# Allegro board 6ULL_V10_221209.brd (continued)
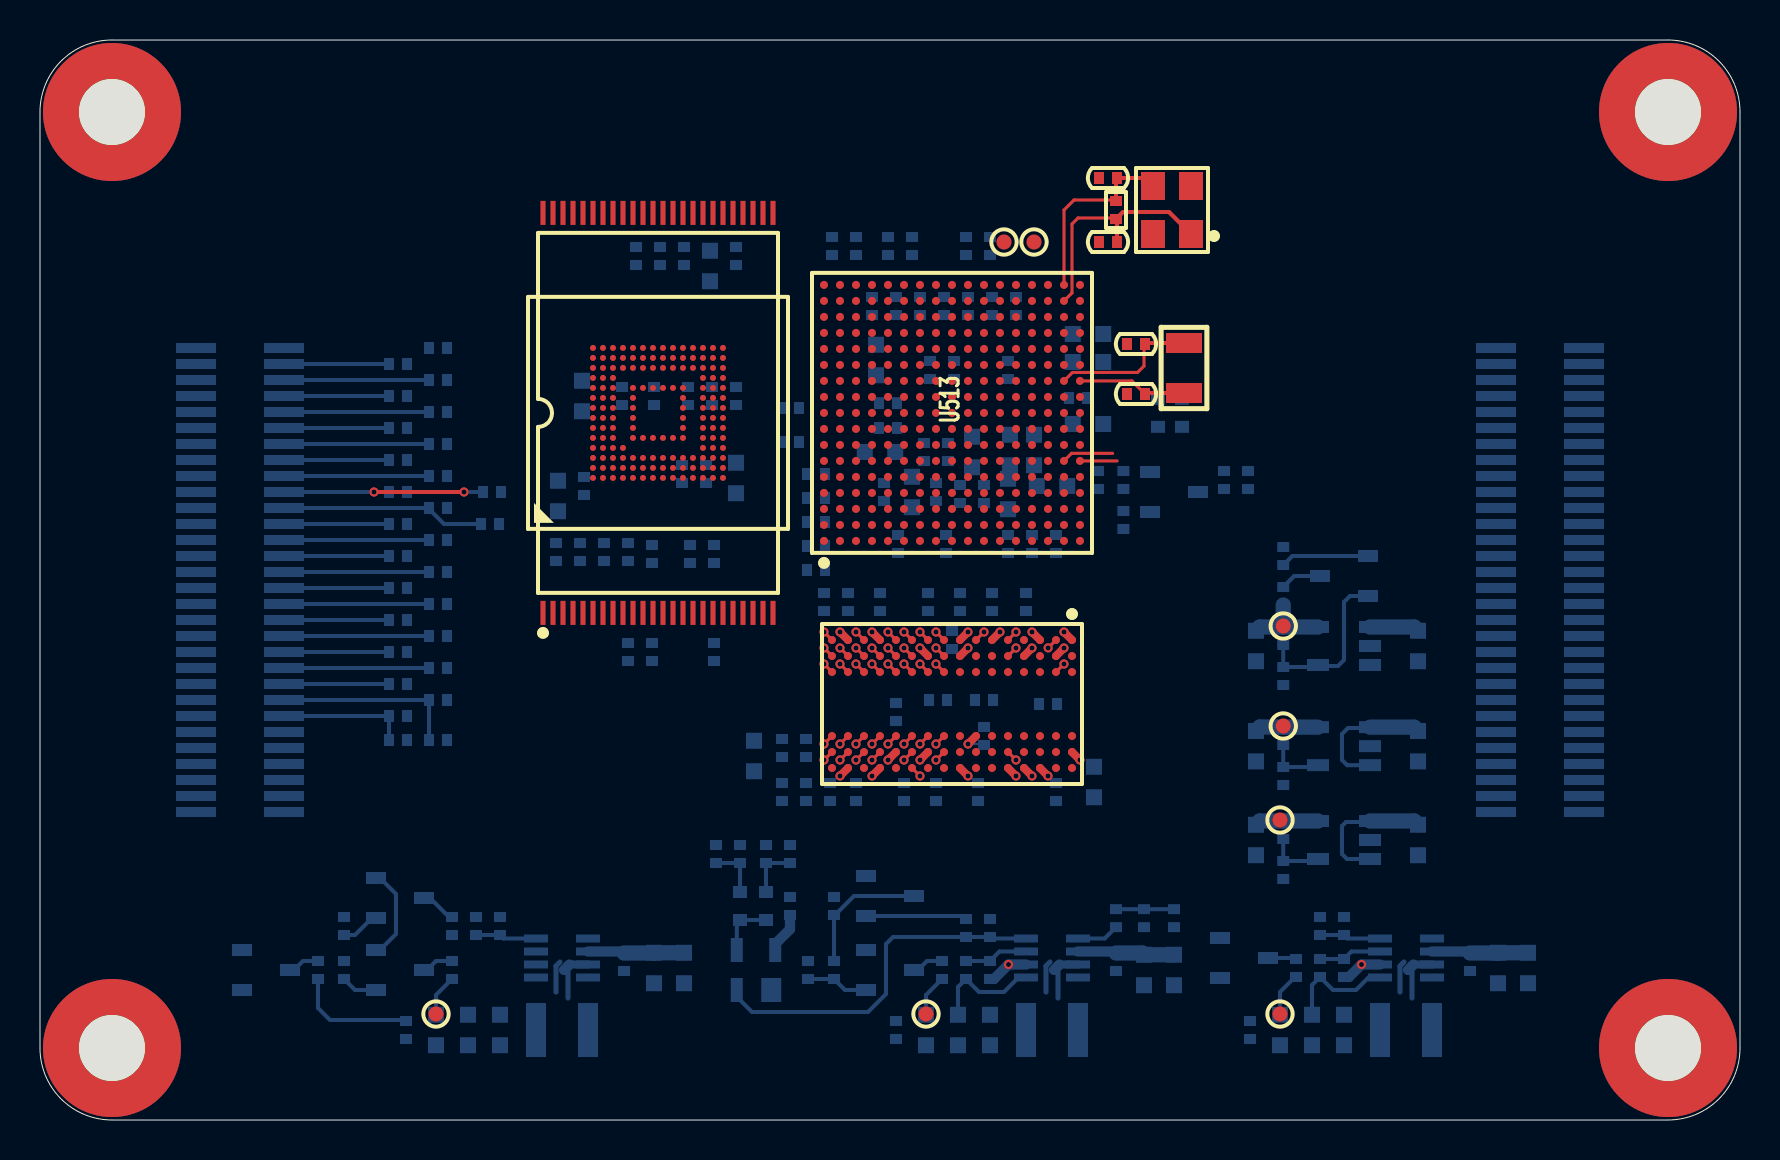
[diagram p0: board, top side]
## Footprints (pads in the part's own frame, mm; a bottom-side part is the same pattern mirrored in y, then rotated) (continued)
FBGA153_0R5_11R5X13X8
  round 0.3 smd: A1(-3.25,3.25) A2(-2.75,3.25) A3(-2.25,3.25) A4(-1.75,3.25) A5(-1.25,3.25) A6(-0.75,3.25) A7(-0.25,3.25) A8(0.25,3.25) A9(0.75,3.25) A10(1.25,3.25) A11(1.75,3.25) A12(2.25,3.25) A13(2.75,3.25) A14(3.25,3.25) B1(-3.25,2.75) B2(-2.75,2.75) B3(-2.25,2.75) B4(-1.75,2.75) B5(-1.25,2.75) B6(-0.75,2.75) B7(-0.25,2.75) B8(0.25,2.75) B9(0.75,2.75) B10(1.25,2.75) B11(1.75,2.75) B12(2.25,2.75) B13(2.75,2.75) B14(3.25,2.75) C1(-3.25,2.25) C2(-2.75,2.25) C3(-2.25,2.25) C4(-1.75,2.25) C5(-1.25,2.25) C6(-0.75,2.25) C7(-0.25,2.25) C8(0.25,2.25) C9(0.75,2.25) C10(1.25,2.25) C11(1.75,2.25) C12(2.25,2.25) C13(2.75,2.25) C14(3.25,2.25) D1(-3.25,1.75) D2(-2.75,1.75) D3(-2.25,1.75) D4(-1.75,1.75) D12(2.25,1.75) D13(2.75,1.75) D14(3.25,1.75) E1(-3.25,1.25) E2(-2.75,1.25) E3(-2.25,1.25) E5(-1.25,1.25) E6(-0.75,1.25) E7(-0.25,1.25) E8(0.25,1.25) E9(0.75,1.25) E10(1.25,1.25) E12(2.25,1.25) E13(2.75,1.25) E14(3.25,1.25) F1(-3.25,0.75) F2(-2.75,0.75) F3(-2.25,0.75) F5(-1.25,0.75) F10(1.25,0.75) F12(2.25,0.75) F13(2.75,0.75) F14(3.25,0.75) G1(-3.25,0.25) G2(-2.75,0.25) G3(-2.25,0.25) G5(-1.25,0.25) G10(1.25,0.25) G12(2.25,0.25) G13(2.75,0.25) G14(3.25,0.25) H1(-3.25,-0.25) H2(-2.75,-0.25) H3(-2.25,-0.25) H5(-1.25,-0.25) H10(1.25,-0.25) H12(2.25,-0.25) H13(2.75,-0.25) H14(3.25,-0.25) J1(-3.25,-0.75) J2(-2.75,-0.75) J3(-2.25,-0.75) J5(-1.25,-0.75) J10(1.25,-0.75) J12(2.25,-0.75) J13(2.75,-0.75) J14(3.25,-0.75) K1(-3.25,-1.25) K2(-2.75,-1.25) K3(-2.25,-1.25) K5(-1.25,-1.25) K6(-0.75,-1.25) K7(-0.25,-1.25) K8(0.25,-1.25) K9(0.75,-1.25) K10(1.25,-1.25) K12(2.25,-1.25) K13(2.75,-1.25) K14(3.25,-1.25) L1(-3.25,-1.75) L2(-2.75,-1.75) L3(-2.25,-1.75) L12(2.25,-1.75) L13(2.75,-1.75) L14(3.25,-1.75) M1(-3.25,-2.25) M2(-2.75,-2.25) M3(-2.25,-2.25) M4(-1.75,-2.25) M5(-1.25,-2.25) M6(-0.75,-2.25) M7(-0.25,-2.25) M8(0.25,-2.25) M9(0.75,-2.25) M10(1.25,-2.25) M11(1.75,-2.25) M12(2.25,-2.25) M13(2.75,-2.25) M14(3.25,-2.25) N1(-3.25,-2.75) N2(-2.75,-2.75) N3(-2.25,-2.75) N4(-1.75,-2.75) N5(-1.25,-2.75) N6(-0.75,-2.75) N7(-0.25,-2.75) N8(0.25,-2.75) N9(0.75,-2.75) N10(1.25,-2.75) N11(1.75,-2.75) N12(2.25,-2.75) N13(2.75,-2.75) N14(3.25,-2.75) P1(-3.25,-3.25) P2(-2.75,-3.25) P3(-2.25,-3.25) P4(-1.75,-3.25) P5(-1.25,-3.25) P6(-0.75,-3.25) P7(-0.25,-3.25) P8(0.25,-3.25) P9(0.75,-3.25) P10(1.25,-3.25) P11(1.75,-3.25) P12(2.25,-3.25) P13(2.75,-3.25) P14(3.25,-3.25)
HOLE6R90X3R40
  round 6.9 hole 3.3: 1(0,0)
L3015
  rect 1x2.7 smd: 1(-1.3,0) 2(1.3,0)
R0402
  rect 0.5x0.6 smd: 1(-0.45,0) 2(0.45,0)
SOD523
  rect 0.6x0.7 smd: 1(0.7,0) 2(-0.7,0)
SOT23-3
  rect 1x0.6 smd: 1(1.2,-1) 2(1.2,1) 3(-1.2,0)
SOT23-5
  rect 0.6x1.1 smd: 1(-0.95,-1.3) 2(0,-1.3) 3(0.95,-1.3) 4(0.95,1.3) 5(-0.95,1.3)
SOT143
  rect 1x1.2 smd: 1(-0.76,-1)
  rect 0.6x1.2 smd: 2(0.96,-1) 3(0.96,1) 4(-0.96,1)
TP-0R75
  round 0.75 smd: 1(0,0)
TSOP48-12X20
  rect 1.2x0.25 smd: 1(-10,5.75) 2(-10,5.25) 3(-10,4.75) 4(-10,4.25) 5(-10,3.75) 6(-10,3.25) 7(-10,2.75) 8(-10,2.25) 9(-10,1.75) 10(-10,1.25) 11(-10,0.75) 12(-10,0.25) 13(-10,-0.25) 14(-10,-0.75) 15(-10,-1.25) 16(-10,-1.75) 17(-10,-2.25) 18(-10,-2.75) 19(-10,-3.25) 20(-10,-3.75) 21(-10,-4.25) 22(-10,-4.75) 23(-10,-5.25) 24(-10,-5.75) 25(10,-5.75) 26(10,-5.25) 27(10,-4.75) 28(10,-4.25) 29(10,-3.75) 30(10,-3.25) 31(10,-2.75) 32(10,-2.25) 33(10,-1.75) 34(10,-1.25) 35(10,-0.75) 36(10,-0.25) 37(10,0.25) 38(10,0.75) 39(10,1.25) 40(10,1.75) 41(10,2.25) 42(10,2.75) 43(10,3.25) 44(10,3.75) 45(10,4.25) 46(10,4.75) 47(10,5.25) 48(10,5.75)
TSOT23-8
  rect 0.4x1.2 smd: 1(-0.975,-1.3) 2(-0.325,-1.3) 3(0.325,-1.3) 4(0.975,-1.3) 5(0.975,1.3) 6(0.325,1.3) 7(-0.325,1.3) 8(-0.975,1.3)
X-2P-3R2X1R5-SMD
  rect 1x1.8 smd: 1(-1.25,0) 2(1.25,0)
X-4P-3R2X2R5-SMD
  rect 1.4x1.2 smd: 1(-1.2,-0.95) 2(1.2,-0.95) 3(1.2,0.95) 4(-1.2,0.95)

## Nets
GND: C3.2 C39.2 C40.2 C41.1 C42.1 C43.1 C44.2 C45.2 C46.1 C48.2 C49.2 C50.2 C52.1 C54.2 C55.2 C56.1 C57.2 C58.1 C59.2 C206.2 C208.1 C210.2 C217.1 C219.2 C220.2 C221.2 C222.2 C223.2 C224.2 C225.2 C226.2 C227.2 C228.1 C229.2 C230.2 C231.2 C232.2 C233.2 C235.1 C236.1 C237.2 C238.2 C239.2 C240.2 C241.2 C242.2 C243.2 C244.2 C245.1 C311.2 C312.1 C313.2 C509.2 C511.2 C512.1 C513.2 C514.2 C515.2 C517.1 C518.1 C519.1 C520.2 C521.1 C522.2 C523.2 C524.2 C525.2 C526.1 C527.1 C528.1 C529.1 C530.2 C531.2 C532.2 C535.2 C536.2 C537.2 C538.2 C539.2 C540.2 C541.2 C542.2 C543.1 C544.1 C545.1 C546.1 C547.1 C548.2 C549.2 C550.2 C551.1 C552.1 C553.1 C554.1 C555.1 C557.1 C558.2 C559.1 C560.2 C561.2 C562.2 C563.1 C564.1 C565.1 MH1.1 MH2.1 MH3.1 MH4.1 Q13.2(S) Q14.2(S) Q15.2(S) Q16.2(S) R3.1 R210.1 R211.1 R212.2 R213.2 R216.1 R217.1 R218.2 R302.1 R533.2 R661.2 R662.2 R663.2 R664.2 R665.2 R666.2 R667.2 R668.2 R669.2 R670.2 R671.2 R672.2 R673.2 R674.2 R675.2 R676.2 R677.2 R678.2 R679.2 R680.2 R681.2 R682.2 R683.2 R694.2 R696.2 R698.2 R700.2 R703.1 R704.1 R707.1 R714.1 R718.1 U201.A9 U201.B1 U201.B3 U201.B9 U201.D1 U201.D8 U201.E1 U201.E2 U201.E8 U201.F9 U201.G1 U201.G8 U201.G9 U201.J2 U201.J8 U201.M1 U201.M9 U201.P1 U201.P9 U201.T1 U201.T9 U302.C4 U302.E7 U302.G5 U302.H10 U302.K8 U302.N2 U302.N5 U302.P4 U302.P6 U501.1 U503.2 U504.2 U505.2 U506.4 U506.6 U507.4 U507.6 U508.1 U509.4 U509.6 U511.59 U511.60 U512.13 U512.25 U512.36 U512.48 U513.A1 U513.A17 U513.C3 U513.C7 U513.C11 U513.C15 U513.E8 U513.E11 U513.F6 U513.F7 U513.F8 U513.F9 U513.F10 U513.F11 U513.F12 U513.G3 U513.G5 U513.G7 U513.G12 U513.G15 U513.H7 U513.H12 U513.J5 U513.J7 U513.J12 U513.K7 U513.K12 U513.L3 U513.L7 U513.L12 U513.M7 U513.M8 U513.M9 U513.M10 U513.M11 U513.M12 U513.N3 U513.N5 U513.N7 U513.R3 U513.R5 U513.R7 U513.R11 U513.R16 U513.R17 U513.T14 U513.U1 U513.U14 U513.U17 X5.2 X5.4
VDD_ARM_CAP: C46.2 C48.1 C49.1 U513.G9 U513.G10 U513.G11 U513.H11
VDD_ARM_SOC_IN: C39.1 C40.1 C41.2 C42.2 R705.2 U513.H9 U513.H10 U513.J9 U513.J10 U513.K9 U513.K10
VDD_COIN_3V: D20.1 R38.1 U510.42
VDD_HIGH_CAP: C55.1 C56.2 U513.N6 U513.R14 U513.R15
VDD_HIGH_IN: C43.2 C44.1 R738.2 U513.N13
VDD_SNVS_3V3: C536.1 C555.2 D19.1 R693.1 R717.1 TP20.1 U503.5(VOUT) U508.4(VCC)
VDD_SNVS_CAP: C59.1 U513.N12
VDD_SNVS_IN: C45.1 D19.2(ANODE_2) D20.2(ANODE_2) R38.2 R531.2 U513.P12
VDD_SOC_CAP: C50.1 C52.2 C54.1 U513.G8 U513.H8 U513.J8 U513.J11 U513.K8 U513.K11 U513.L8 U513.L9 U513.L10 U513.L11
VDDUSB: C520.1 C521.2 U513.R12
ACC_INT: U511.6 U513.R10
AUD_INT: U511.3 U513.P9
BLT_PWM: U511.16 U513.N17
BOOT_MODE0: U511.7 U513.T10
BOOT_MODE1: U511.8 U513.U10
BT_DISABLE: U511.5 U513.R9
CAN1_RX: U511.35 U513.G14
CAN1_TX: U511.36 U513.H15
CAN2_RX: U511.40 U513.H14
CAN2_TX: U511.39 U513.J15
CLK1_N: TP23.1 U513.P16
CLK1_P: TP24.1 U513.P17
CSI_DATA0: U510.56 U513.E4
CSI_DATA1: U510.57 U513.E3
CSI_DATA2: U510.3 U513.E2
CSI_DATA3: U510.59 U513.E1
CSI_DATA4: U510.55 U513.D4
CSI_DATA5: U510.6 U513.D3
CSI_DATA6: U510.4 U513.D2
CSI_DATA7: U510.58 U513.D1
CSI_HSYNC: U510.60 U513.F3
CSI_MCLK: U510.2 U513.F5
CSI_PIXCLK: U510.5 U513.E5
CSI_VSYNC: U510.1 U513.F2
DC5V: C3.1 C535.1 C539.1 C541.1 C542.1 C548.1 C549.1 C550.1 C560.1 C561.1 C562.1 U503.1 U503.3 U505.1 U506.2(VIN) U507.2(VIN) U509.2(VIN) U511.1 U511.2
DCDC_3V3: C236.2 C237.1 C238.1 C239.1 C240.1 C241.1 C242.1 C243.1 C244.1 C245.2 C311.1 C312.2 C313.1 C509.1 C511.1 C514.1 C530.1 C537.1 R326.2 R327.2 R535.2 R657.2 R658.2 R659.2 R660.2 R710.2 R712.2 R738.1 R739.2 R740.2 U302.C6 U302.E6 U302.F5 U302.J10 U302.K9 U302.M4 U302.N4 U302.P3 U302.P5 U504.1 U504.3 U512.12 U512.34 U512.37 U512.39 U513.E7 U513.E13 U513.F13 U513.H13 U513.J13(NVCC_GPIO)
DCDC_3V3_PG: C554.2 R1.2 R711.1 R712.1 R719.2 U505.3
DISCHG_EN: C558.1 Q13.1 Q14.1 Q16.1 R716.2
DRAM_1V35: C208.2 C210.1 C217.2 C218.1 C222.1 C223.1 C224.1 C225.1 C226.1 C227.1 C228.2 C229.1 C230.1 C231.1 C232.1 C233.1 R215.2 R722.2 U201.A1 U201.A8 U201.B2 U201.C1 U201.C9 U201.D2 U201.D9 U201.E9 U201.F1 U201.G7 U201.H2 U201.H9 U201.K2 U201.K8 U201.N1 U201.N9 U201.R1 U201.R9 U513.G6 U513.H6 U513.J6 U513.K6 U513.L6 U513.M6
DRAM_ADDR0: U201.N3 U513.L5
DRAM_ADDR1: U201.P7 U513.H2
DRAM_ADDR2: U201.P3 U513.K1
DRAM_ADDR3: U201.N2 U513.M2
DRAM_ADDR4: U201.P8 U513.K4
DRAM_ADDR5: U201.P2 U513.L1
DRAM_ADDR6: U201.R8 U513.G2
DRAM_ADDR7: U201.R2 U513.H4
DRAM_ADDR8: U201.T8 U513.J4
DRAM_ADDR9: U201.R3 U513.L2
DRAM_ADDR10: U201.L7 U513.M4
DRAM_ADDR11: U201.R7 U513.K3
DRAM_ADDR12: U201.N7 U513.L4
DRAM_ADDR13: U201.T3 U513.H3
DRAM_ADDR14: U201.T7 U513.G1
DRAM_ADDR15: U201.M7 U513.K5
DRAM_CAS_B: U201.K3 U513.J2
DRAM_CS0_B: U201.L2 U513.N2
DRAM_CS1_B: U201.L1 U513.H5
DRAM_DATA0: U201.E3 U513.T4
DRAM_DATA1: U201.F7 U513.U6
DRAM_DATA2: U201.F2 U513.T6
DRAM_DATA3: U201.F8 U513.U7
DRAM_DATA4: U201.H3 U513.U8
DRAM_DATA5: U201.H8 U513.T8
DRAM_DATA6: U201.G2 U513.T5
DRAM_DATA7: U201.H7 U513.U4
DRAM_DATA8: U201.D7 U513.U2
DRAM_DATA9: U201.C3 U513.U3
DRAM_DATA10: U201.C8 U513.U5
DRAM_DATA11: U201.C2 U513.R4
DRAM_DATA12: U201.A7 U513.P5
DRAM_DATA13: U201.A2 U513.P3
DRAM_DATA14: U201.B8 U513.R2
DRAM_DATA15: U201.A3 U513.R1
DRAM_DQM0: U201.E7 U513.T7
DRAM_DQM1: U201.D3 U513.T3
DRAM_ODT0: U201.K1 U513.N1
DRAM_ODT1: U201.J1 U513.F1
DRAM_RAS_B: U201.J3 U513.M5
DRAM_RESET_B: R210.2 U201.T2 U513.G4
DRAM_SDBA0: U201.M2 U513.M1
DRAM_SDBA1: U201.N8 U513.H1
DRAM_SDBA2: U201.M3 U513.K2
DRAM_SDCKE0: R213.1 U201.K9 U513.M3
DRAM_SDCKE1: R212.1 U201.J9 U513.J3
DRAM_SDCLK0_N: R214.1 U201.K7 U513.P2
DRAM_SDCLK0_P: R214.2 U201.J7 U513.P1
DRAM_SDQS0_N: C215.2 U201.G3 U513.P7
DRAM_SDQS0_P: C215.1 U201.F3 U513.P6
DRAM_SDQS1_N: C216.2 U201.B7 U513.T2
DRAM_SDQS1_P: C216.1 U201.C7 U513.T1
DRAM_SDWE_B: U201.L3 U513.J1
DRAM_VREF: C206.1 C218.2 C219.1 C220.1 C221.1 R215.1 R216.2 U201.H1 U201.M8 U513.P4
DRAM_ZQ0: R217.2 U201.L8(ZQ)
DRAM_ZQ1: R218.1 U201.L9
ECSPI4_MISO: C513.1 R524.2 U510.31
ECSPI4_MOSI: U510.32 U513.B15
ECSPI4_SCLK: U510.35 U513.A16
ECSPI4_SS0: U510.34 U513.D16
EMMC_VDDIM: C235.2 U302.C2
ENET1_CRS_DV: U511.25 U513.E16
ENET1_NINT: U511.11 U513.N8
ENET1_RXD0: U511.26 U513.F16
ENET1_RXD1: U511.24 U513.E17
ENET1_RXER: U511.30 U513.D15
ENET1_TX_CLK: C512.2 R523.2 U511.29
ENET1_TXD0: U511.23 U513.E15
ENET1_TXD1: U511.28 U513.E14
ENET1_TXEN: U511.27 U513.F15
ENET2_CRS_DV: U510.33 U513.B17
ENET2_NINT: U510.39 U513.N11
ENET2_RXD0: U510.38 U513.C17
ENET2_RXD1: U510.37 U513.C16
ENET2_TXD0: U510.36 U513.A15
ENET_MDC: U511.45 U513.L16
ENET_MDIO: U511.44 U513.K17
GPIO_0: U511.51 U513.K13
GPIO_1: U511.49 U513.L15
GPIO_2: U511.13 U513.L14
GPIO_3: U511.47 U513.L17
GPIO_4: U511.14 U513.M16
GPIO_5: Q10.1 R700.1 U510.47 U513.M17
GPIO_9: U511.15 U513.M15
GPIO_DVFS: Q12.1 R704.2 U513.P10
HDMI_INT: U511.48 U513.K15
I2C1_SCL: U511.33 U513.G17
I2C1_SDA: U511.34 U513.G16
I2C2_SCL: U511.31 U513.F17
I2C2_SDA: U511.32 U513.G13
JTAG_MOD: R533.1 U511.22 U513.P15
JTAG_NTRST: U511.21 U513.N14
JTAG_TCK: U511.19 U513.M14
JTAG_TDI: U511.17 U513.N16
JTAG_TDO: U511.18 U513.N15
JTAG_TMS: U511.20 U513.P14
LCD_DATA0: R660.1 R661.1 U510.7 U513.B9
LCD_DATA1: R659.1 R662.1 U510.8 U513.A9
LCD_DATA2: R663.1 U510.9 U513.E10
LCD_DATA3: R664.1 U510.10 U513.D10
LCD_DATA4: R665.1 U510.11 U513.C10
LCD_DATA5: R666.1 U510.12 U513.B10
LCD_DATA6: R667.1 U510.13 U513.A10
LCD_DATA7: R668.1 U510.14 U513.D11
LCD_DATA8: R669.1 U510.15 U513.B11
LCD_DATA9: R670.1 U510.16 U513.A11
LCD_DATA10: R671.1 U510.17 U513.E12
LCD_DATA11: R672.1 U510.18 U513.D12
LCD_DATA12: R673.1 U510.19 U513.C12
LCD_DATA13: R658.1 R674.1 U510.20 U513.B12
LCD_DATA14: R657.1 R675.1 U510.21 U513.A12
LCD_DATA15: R676.1 U510.22 U513.D13
LCD_DATA16: R677.1 U510.23 U513.C13
LCD_DATA17: R678.1 U510.24 U513.B13
LCD_DATA18: R679.1 U510.25 U513.A13
LCD_DATA19: R680.1 U510.26 U513.D14
LCD_DATA20: R681.1 U510.27 U513.C14
LCD_DATA21: R682.1 U510.28 U513.B14
LCD_DATA22: R683.1 U510.29 U513.A14
LCD_DATA23: U510.30 U513.B16
LCD_DE: U510.46 U513.B8
LCD_DISP: U510.48 U513.R6
LCD_HSYNC: U510.44 U513.D9
LCD_PCLK: R521.2 U510.45
LCD_VSYNC: U510.43 U513.C9
NAND_ALE: R302.2 U302.K5 U512.17 U513.B4
NAND_CLE: U512.16 U513.A4
NAND_DATA0: R739.1 U302.A3 U512.29 U513.D7
NAND_DATA1: U302.A4 U512.30 U513.B7
NAND_DATA2: U302.A5 U512.31 U513.A7
NAND_DATA3: U302.B2 U512.32 U513.D6
NAND_DATA4: U302.B3 U512.41 U513.C6
NAND_DATA5: U302.B4 U512.42 U513.B6
NAND_DATA6: U302.B5 U512.43 U513.A6
NAND_DATA7: U302.B6 U512.44 U513.A5
NAND_DQS: R526.2 U512.35
NAND_NCE0: R326.1 U512.9 U513.C5
NAND_NCE1: R327.1 U512.10 U513.B5
NAND_NRE: C517.2 R525.2 U302.M6 U512.8
NAND_NREADY: R328.2 U513.A3
NAND_NWE: R527.2 R740.1 U302.M5 U512.18
NAND_NWP: U512.19(W\P\) U513.D5
NAND_RB0: R328.1 U512.4 U512.5 U512.6 U512.7
NUSB_OTG_CHD: U511.52 U513.U16
NVCC_ADC_3P3: C524.1 C525.1 U513.L13 U513.M13
NVCC_CSI: C515.1 C538.1 R695.1 TP21.1 U504.5(VOUT) U513.F4
NVCC_PLL_OUT: C57.1 C58.2 U513.P13
NVCC_SD: C522.1 C540.1 R529.2 R530.2 R697.1 R699.1 TP22.1 U505.5(VOUT) U513.C4
NWDOG: C556.2 R522.2
ONOFF: U511.4 U513.R8
PERI_PWREN: U511.12 U513.P11
PMIC_ON_REQ: Q15.1 R708.2 U510.41 U513.T9
PMIC_STBY_REQ: Q11.1 R703.2 U513.U9
POR_B: C532.1 R531.1 R536.1 U513.P8
RESET: R713.2 U510.40
RTC_XTALI: C526.2 U513.T11 X4.2
RTC_XTALO: C527.2 U513.U11 X4.1
SD1_CD: U511.43 U513.J14
SD1_CLK: C523.1 R528.2 U510.54
SD1_CMD: R529.1 U510.53 U513.C2
SD1_DATA0: R530.1 U510.49 U513.B3
SD1_DATA1: U510.50 U513.B2
SD1_DATA2: U510.52 U513.B1
SD1_DATA3: U510.51 U513.A2
SHIFT_NOE: U511.9 U513.N9
SHIFT_STCP: U511.10 U513.N10
UART1_RXD: U511.46 U513.K16
UART1_TXD: U511.50 U513.K14
UART2_CTS_BB: U511.38 U513.H17
UART2_RTS_BB: U511.37 U513.H16
UART2_RXD: U511.41 U513.J16
UART2_TXD: U511.42 U513.J17
USB_OTG1_DN: U511.53 U513.T15
USB_OTG1_DP: U511.54 U513.U15
USB_OTG1_VBUS: C518.2 U511.57 U513.T12
USB_OTG2_DN: U511.55 U513.T13
USB_OTG2_DP: U511.56 U513.U13
USB_OTG2_VBUS: C519.2 U511.58 U513.U12
XTALI: C528.2 R532.1 U513.T16 X5.1
XTALO: C529.2 R532.2 U513.T17 X5.3(OUT2)
ZQPAD: R211.2 U513.N4
N299288: R521.1 U513.A8
N299296: R522.1 U513.E9
N300247: R523.1 U513.F14
N300263: R524.1 U513.D17
N300600: R525.1 U513.D8
N300873: R527.1 U513.C8
N300929: R526.1 U513.E6
N17310296: C543.2 C544.2 C545.2 L1.2 R9.2 R701.2 R702.2 R705.1 R706.2 TP1.1 U506.5
N17404221: C531.1 R535.1 U501.3(VCC)
N17421947: R693.2 R694.1 U503.4
N17422446: R695.2 R696.1 U504.4
N17422773: Q10.2(S) R697.2 R698.1 U505.4
N17423324: Q10.3 R699.2
N17424184: L1.1 U506.3
N17424814: Q11.2(S) Q12.2(S) R3.2 R9.1 U506.7
N17425401: C546.2 R1.1 U506.8
N17425625: Q11.3 R701.1
N17425655: Q12.3 R702.1
N17427025: Q13.3 R706.1
N17427608: R707.2 R709.1 U507.7
N17427638: C547.2 R708.1 U507.8 U508.2
N17427685: L5.1 U507.3
N17427729: C551.2 C552.2 C553.2 L5.2 R709.2 R710.1 R715.2 TP25.1 U507.5
N17428388: R711.2 U507.1
N17434366: D21.1 D22.1 U508.3
N17434500: C556.1 D22.2(ANODE_2) R714.2
N17434503: C557.2 D21.2(ANODE_2) R713.1
N17436179: Q15.3 R716.1 R717.2
N17436609: R718.2 R720.1 U509.7
N17436639: C559.2 R719.1 U509.8
N17436686: L6.1 U509.3
N17436730: C563.2 C564.2 C565.2 L6.2 R720.2 R721.2 R722.1 TP26.1 U509.5
N98008264: R528.1 U513.C1
N99137577: R536.2 U501.2
N174349732: Q14.3 R715.1
N174377030: Q16.3 R721.1

Pads without a net: U302 A1 A2 A6 A7 A8 A9 A10 A11 A12 A13 A14 B1 B7 B8 B9 B10 B11 B12 B13 B14 C1 C3 C5 C7 C8 C9 C10 C11 C12 C13 C14 D1 D2 D3 D4 D12 D13 D14 E1 E2 E3 E5 E8 E9 E10 E12 E13 E14 F1 F2 F3 F10 F12 F13 F14 G1 G2 G3 G10 G12 G13 G14 H1 H2 H3 H5 H12 H13 H14 J1 J2 J3 J5 J12 J13 J14 K1 K2 K3 K6 K7 K10 K12 K13 K14 L1 L2 L3 L12 L13 L14 M1 M2 M3 M7 M8 M9 M10 M11 M12 M13 M14 N1 N3 N6 N7 N8 N9 N10 N11 N12 N13 N14 P1 P2 P7 P8 P9 P10 P11 P12 P13 P14; U506 1; U509 1; U512 1 2 3 11 14 15 20 21 22 23 24 26 27 28 33 38 40 45 46 47; U513 R13

## Via types
v1: diameter 0.457, hole 0.254, TOP to BOTTOM, 66 vias

## Routing (per net, layer and track width the routed paths; a pad name or vN(x,y) marks a point on that pad's centre or on a via; arc(x,y) is an arc through that point)
GND: length 10.4
  TOP w0.152: U201.J2 v1(44.8,23.6) ; U201.E1 v1(48.8,24.4) ; U201.T1 v1(39.2,24.4) ; U201.E8 v1(48.8,18) ; U201.J8 v1(44.8,18) ; U201.B3 v1(51.2,22.8) ; U201.P1 v1(40.8,24.4) ; U201.M1 v1(42.4,24.4) ; U201.E2 v1(48.8,23.6) ; U201.G1 v1(47.2,24.4) ; U201.B1 v1(50.41,23.61)
  BOTTOM w0.508: 49.3,7.78 v1(48.42,7.78) 47.7,7.05 R707.1 ; R718.1 65.45,7.15 v1(66.08,7.78) 67,7.78
VDD_SNVS_3V3: length 5.2
  BOTTOM w0.508: C555.2 37.5,9.54 36.76,8.8 U508.4
  BOTTOM w0.762: U503.5 62.17,19.64 R693.1 61,19.65 C536.1
DC5V: length 23.8
  BOTTOM w0.203: U503.3 65.36,17.74 65.1,18 65.1,19.3 65.4,19.6 66.46,19.6 U503.1
  BOTTOM w0.508: U509.2 71.42,8.43 C562.1 ; C3.1 29.12,8.43 U506.2 ; C550.1 53.73,8.43 U507.2
  BOTTOM w0.762: C3.1 30.69,8.35 C541.1 C542.1 ; C549.1 C548.1 55.11,8.35 C550.1 ; C561.1 C560.1 72.89,8.35 C562.1 ; C539.1 68.71,24.65 U505.1 ; U503.1 68.71,19.64 C535.1
DCDC_3V3: length 6.9
  BOTTOM w0.203: U504.1 66.45,14.9 65.3,14.9 65.1,14.7 65.1,13.3 65.35,13.05 U504.3
  BOTTOM w0.762: U504.1 68.71,14.95 C537.1
DCDC_3V3_PG: length 2.9
  BOTTOM w0.203: R711.1 C554.2 R712.1
DISCHG_EN: length 3.1
  BOTTOM w0.203: Q14.1 40.25,6.5 R716.2 C558.1
DRAM_1V35: length 11
  TOP w0.4: U201.N9 v1(41.6,17.2) ; U201.A1 v1(51.2,24.4) ; U201.C9 v1(50.4,17.2) ; U201.D2 v1(49.6,23.6) ; U201.G7 v1(46.4,18.8) ; U201.F1 v1(48,24.4) ; U201.K2 v1(44,23.6) ; U201.C1 v1(49.6,24.4) ; U201.E9 v1(48.8,17.2) ; U201.H2 v1(46.4,23.6) ; U201.B2 v1(51.2,23.6) ; U201.H9 v1(46.4,17.2) ; U201.R1 v1(40,24.4) ; U201.D9 v1(49.6,17.2) ; U201.K8 v1(44,18) ; U201.R9 v1(40,17.2) ; U201.N1 v1(41.6,24.4) ; U201.A8 v1(52,18)
  BOTTOM w0.114: C230.1 47.15,18.8 v1(46.4,18.8)
DRAM_ADDR0: length 0.6
  TOP w0.152: U201.N3 v1(41.6,22.8)
DRAM_ADDR1: length 0.6
  TOP w0.152: U201.P7 v1(40.8,18.8)
DRAM_ADDR2: length 0.6
  TOP w0.152: U201.P3 v1(40.8,22.8)
DRAM_ADDR3: length 0.6
  TOP w0.152: U201.N2 v1(41.6,23.6)
DRAM_ADDR4: length 0.6
  TOP w0.152: U201.P8 v1(40.8,18)
DRAM_ADDR5: length 0.6
  TOP w0.152: U201.P2 v1(40.8,23.6)
DRAM_ADDR6: length 0.6
  TOP w0.152: U201.R8 v1(40,18)
DRAM_ADDR7: length 0.6
  TOP w0.152: U201.R2 v1(40,23.6)
DRAM_ADDR8: length 0.6
  TOP w0.152: U201.T8 v1(39.2,18)
DRAM_ADDR9: length 0.6
  TOP w0.152: U201.R3 v1(40,22.8)
DRAM_ADDR10: length 0.6
  TOP w0.152: U201.L7 v1(43.2,18.8)
DRAM_ADDR11: length 0.6
  TOP w0.152: U201.R7 v1(40,18.8)
DRAM_ADDR12: length 0.6
  TOP w0.152: U201.N7 v1(41.6,18.8)
DRAM_ADDR13: length 0.6
  TOP w0.152: U201.T3 v1(39.2,22.8)
DRAM_ADDR14: length 0.6
  TOP w0.152: U201.T7 v1(39.2,18.8)
DRAM_ADDR15: length 0.6
  TOP w0.152: U201.M7 v1(42.4,18.8)
DRAM_CAS_B: length 0.6
  TOP w0.152: U201.K3 v1(44,22.8)
DRAM_CS0_B: length 0.6
  TOP w0.152: U201.L2 v1(43.2,23.6)
DRAM_CS1_B: length 0.6
  TOP w0.152: U201.L1 v1(43.2,24.4)
DRAM_DATA1: length 1.9
  TOP w0.152: U513.U6 53.85,32.95
DRAM_DATA2: length 2.6
  TOP w0.152: 53.63,33.33 51.58,33.33 U513.T6
DRAM_ODT0: length 0.6
  TOP w0.152: U201.K1 v1(44,24.4)
DRAM_ODT1: length 0.6
  TOP w0.152: U201.J1 v1(44.8,24.4)
DRAM_RAS_B: length 0.6
  TOP w0.152: U201.J3 v1(44.8,22.8)
DRAM_RESET_B: length 0.6
  TOP w0.152: U201.T2 v1(39.2,23.6)
DRAM_SDBA0: length 0.6
  TOP w0.152: U201.M2 v1(42.4,23.6)
DRAM_SDBA1: length 0.6
  TOP w0.152: U201.N8 v1(41.6,18)
DRAM_SDBA2: length 0.6
  TOP w0.152: U201.M3 v1(42.4,22.8)
DRAM_SDCLK0_N: length 0.6
  TOP w0.152: U201.K7 v1(44,18.8)
DRAM_SDCLK0_P: length 0.6
  TOP w0.152: U201.J7 v1(44.8,18.8)
DRAM_SDWE_B: length 0.6
  TOP w0.152: U201.L3 v1(43.2,22.8)
DRAM_VREF: length 1.1
  TOP w0.4: U201.M8 v1(42.4,18) ; U201.H1 v1(46.4,24.4)
DRAM_ZQ0: length 0.6
  TOP w0.152: U201.L8 v1(43.2,18)
DRAM_ZQ1: length 0.6
  TOP w0.152: U201.L9 v1(44,17.2)
GPIO_5: length 4.4
  BOTTOM w0.203: Q10.1 62.62,28.2 62.17,27.75 R700.1
GPIO_DVFS: length 2
  BOTTOM w0.203: R704.2 15.75,9.25 16.6,10.1 Q12.1
LCD_DATA0: length 6.4
  BOTTOM w0.203: R660.1 R661.1 U510.7
LCD_DATA1: length 9.2
  BOTTOM w0.203: R659.1 R662.1 U510.8
LCD_DATA2: length 5.2
  BOTTOM w0.203: U510.9 R663.1
LCD_DATA3: length 7.2
  BOTTOM w0.203: U510.10 R664.1
LCD_DATA4: length 5.2
  BOTTOM w0.203: U510.11 R665.1
LCD_DATA5: length 7.2
  BOTTOM w0.203: U510.12 R666.1
LCD_DATA6: length 5.2
  BOTTOM w0.203: U510.13 R667.1
LCD_DATA7: length 7.2
  BOTTOM w0.203: U510.14 R668.1
LCD_DATA8: length 5.2
  BOTTOM w0.203: U510.15 R669.1
LCD_DATA9: length 7.2
  BOTTOM w0.203: U510.16 R670.1
LCD_DATA10: length 5.2
  BOTTOM w0.203: U510.17 R671.1
LCD_DATA11: length 7.2
  BOTTOM w0.203: U510.18 R672.1
LCD_DATA12: length 5.2
  BOTTOM w0.203: U510.19 R673.1
LCD_DATA13: length 10.2
  BOTTOM w0.203: U510.20 R674.1 19.45,30.55 20.2,29.8 R658.1
LCD_DATA14: length 10.7
  TOP w0.203: v1(16.7,31.4) v1(21.2,31.4)
  BOTTOM w0.203: R657.1 v1(21.2,31.4) ; U510.21 v1(16.7,31.4) R675.1
LCD_DATA15: length 7.2
  BOTTOM w0.203: U510.22 R676.1
LCD_DATA16: length 5.2
  BOTTOM w0.203: U510.23 R677.1
LCD_DATA17: length 7.2
  BOTTOM w0.203: U510.24 R678.1
LCD_DATA18: length 5.2
  BOTTOM w0.203: U510.25 R679.1
LCD_DATA19: length 7.2
  BOTTOM w0.203: U510.26 R680.1
LCD_DATA20: length 5.2
  BOTTOM w0.203: U510.27 R681.1
LCD_DATA21: length 7.2
  BOTTOM w0.203: U510.28 R682.1
LCD_DATA22: length 5.2
  BOTTOM w0.203: U510.29 R683.1
NVCC_CSI: length 3.2
  BOTTOM w0.762: C538.1 60.99,14.95 R695.1 U504.5
NVCC_SD: length 4.3
  BOTTOM w0.762: R697.1 60.99,24.65 C540.1 ; R697.1 U505.5 ; R697.1 R699.1
PMIC_ON_REQ: length 5.1
  BOTTOM w0.203: R708.2 46.15,10.2 Q15.1
PMIC_STBY_REQ: length 1.8
  BOTTOM w0.203: Q11.1 15.75,6.5 R703.2
RTC_XTALI: length 7.4
  TOP w0.152: C526.2 55.2,38.75 55.2,37.7 54.88,37.38 51.62,37.38 U513.T11
  TOP w0.203: C526.2 55.3,38.85 X4.2
RTC_XTALO: length 5.5
  TOP w0.152: C527.2 54.59,36.95 U513.U11
  TOP w0.203: X4.1 55.3,36.35 C527.2
XTALI: length 11.9
  TOP w0.152: U513.T16 51.6,41.35 51.6,44.8 51.9,45.1 53.75,45.1 R532.1
  TOP w0.203: X5.1 56.45,45.4 54.15,45.4 R532.1 53.85,45 C528.2
XTALO: length 9.7
  TOP w0.152: R532.2 53.75,46 51.7,46 51.2,45.5 51.2,41.76
  TOP w0.203: R532.2 53.8,46.95 53.85,47 C529.2 55.25,47.1 X5.3
N17310296: length 8.2
  BOTTOM w0.203: R705.1 18.25,5 14.5,5 13.9,5.6 R706.2 ; R701.2 19.8,6.25 C545.2
N17421947: length 2.9
  BOTTOM w0.203: R693.2 R694.1 63.81,17.65 U503.4
N17422446: length 2.9
  BOTTOM w0.203: R695.2 R696.1 63.8,12.95 U504.4
N17422773: length 8.5
  BOTTOM w0.203: Q10.2 65.5,26.2 65.2,25.9 65.2,23 64.9,22.7 63.95,22.7 U505.4 63.8,22.65 R698.1 R697.2
N17423324: length 2.1
  BOTTOM w0.203: Q10.3 62.71,27.2 R699.2
N17424184: length 4.5
  BOTTOM w0.254: 26,7.9 25.8,7.7 25.8,6.4 ; 26.4,7.7 26.4,6.1
  BOTTOM w0.4: 26.48,7.78 27.4,7.78
  BOTTOM w0.508: 26.48,7.78 26.2,7.5
N17424814: length 4.7
  BOTTOM w0.203: Q11.2 17,8.5 17.8,9.3 17.8,11.3 17,12.1 Q12.2
N17425401: length 3.1
  BOTTOM w0.203: R1.1 C546.2 23.18,9.07 U506.8
N17425625: length 1.6
  BOTTOM w0.203: R701.1 19.8,7.95 19.35,7.5 Q11.3
N17425655: length 1.8
  BOTTOM w0.203: R702.1 20.45,10.15 19.5,11.1 Q12.3
N17427025: length 1.6
  BOTTOM w0.203: R706.1 13.15,7.95 12.7,7.5 Q13.3
N17427608: length 3.2
  BOTTOM w0.203: U507.7 47.98,8.43 R707.2 R709.1
N17427638: length 18.2
  BOTTOM w0.203: U508.2 34.84,6.16 35.6,5.4 41.4,5.4 42.3,6.3 42.3,8.8 42.65,9.15 R708.1 C547.2 47.58,9.07 U507.8
N17427685: length 4.5
  BOTTOM w0.254: 50.5,7.9 50.3,7.7 50.3,6.4 ; 50.9,7.7 50.9,6.1
  BOTTOM w0.4: 50.98,7.78 51.9,7.78
  BOTTOM w0.508: 50.7,7.5 50.98,7.78
N17427729: length 7.6
  BOTTOM w0.203: C552.2 45.9,6.65 R709.2 46.95,6.4 48.2,6.4 48.92,7.12 U507.5 ; C553.2 44.3,6.25 R715.2
N17428388: length 2.1
  BOTTOM w0.203: R711.2 53.23,9.07 U507.1
N17434366: length 2.9
  BOTTOM w0.203: D22.1 D21.1 34.84,9.84 U508.3
N17434500: length 2.7
  BOTTOM w0.203: C556.1 R714.2 D22.2
N17434503: length 2.7
  BOTTOM w0.203: C557.2 R713.1 D21.2
N17436179: length 6.7
  BOTTOM w0.203: Q15.3 40.7,11.2 39.75,10.25 R717.2 R716.1
N17436609: length 3.2
  BOTTOM w0.203: R720.1 R718.2 65.58,8.43 U509.7
N17436639: length 3.1
  BOTTOM w0.203: R719.1 C559.2 65.38,9.07 U509.8
N17436686: length 4.5
  BOTTOM w0.254: 68.2,7.9 68,7.7 68,6.4 ; 68.6,7.7 68.6,6.1
  BOTTOM w0.4: 68.67,7.78 69.6,7.78
  BOTTOM w0.508: 68.4,7.5 68.67,7.78
N17436730: length 7.8
  BOTTOM w0.203: C565.2 62,6.4 62.75,7.15 R721.2 ; U509.5 66.42,7.12 65.8,6.5 64.65,6.5 R720.2 63.6,6.75 C564.2
N174349732: length 1.6
  BOTTOM w0.203: R715.1 44.35,7.95 43.9,7.5 Q14.3
N174377030: length 1.4
  BOTTOM w0.203: Q16.3 62.75,8.1 R721.1

## Copper pours and planes (outline as drawn; the poured copper is in the pictures)
N17310296 on BOTTOM: 25.3,5.9 18.1,5.9 17.9,5.7 17.9,4.6 23.8,4.6 24.2,4.2 24.2,3.1 25.3,3.1
N17424184 on BOTTOM: 28,8 25.9,8 25.7,7.8 25.7,3.4 26,3.1 28,3.1 28,5.9 26.7,5.9 26.5,6.1 26.5,7.4 26.6,7.5 28,7.5
N17427685 on BOTTOM: 52.5,8 50.4,8 50.2,7.8 50.2,3.4 50.5,3.1 52.5,3.1 52.5,5.9 51.2,5.9 51,6.1 51,7.4 51.1,7.5 52.5,7.5
N17427729 on BOTTOM: 49.8,5.9 42.6,5.9 42.4,5.7 42.4,4.6 48.3,4.6 48.7,4.2 48.7,3.1 49.8,3.1
N17436686 on BOTTOM: 70.2,8 68.1,8 67.9,7.8 67.9,3.4 68.2,3.1 70.2,3.1 70.2,5.9 68.9,5.9 68.7,6.1 68.7,7.4 68.8,7.5 70.2,7.5
N17436730 on BOTTOM: 67.5,5.9 60.3,5.9 60.1,5.7 60.1,4.6 66,4.6 66.4,4.2 66.4,3.1 67.5,3.1
